# Altium PCB power-v3.3-exp.PcbDoc (part 1 of 2) (continued)
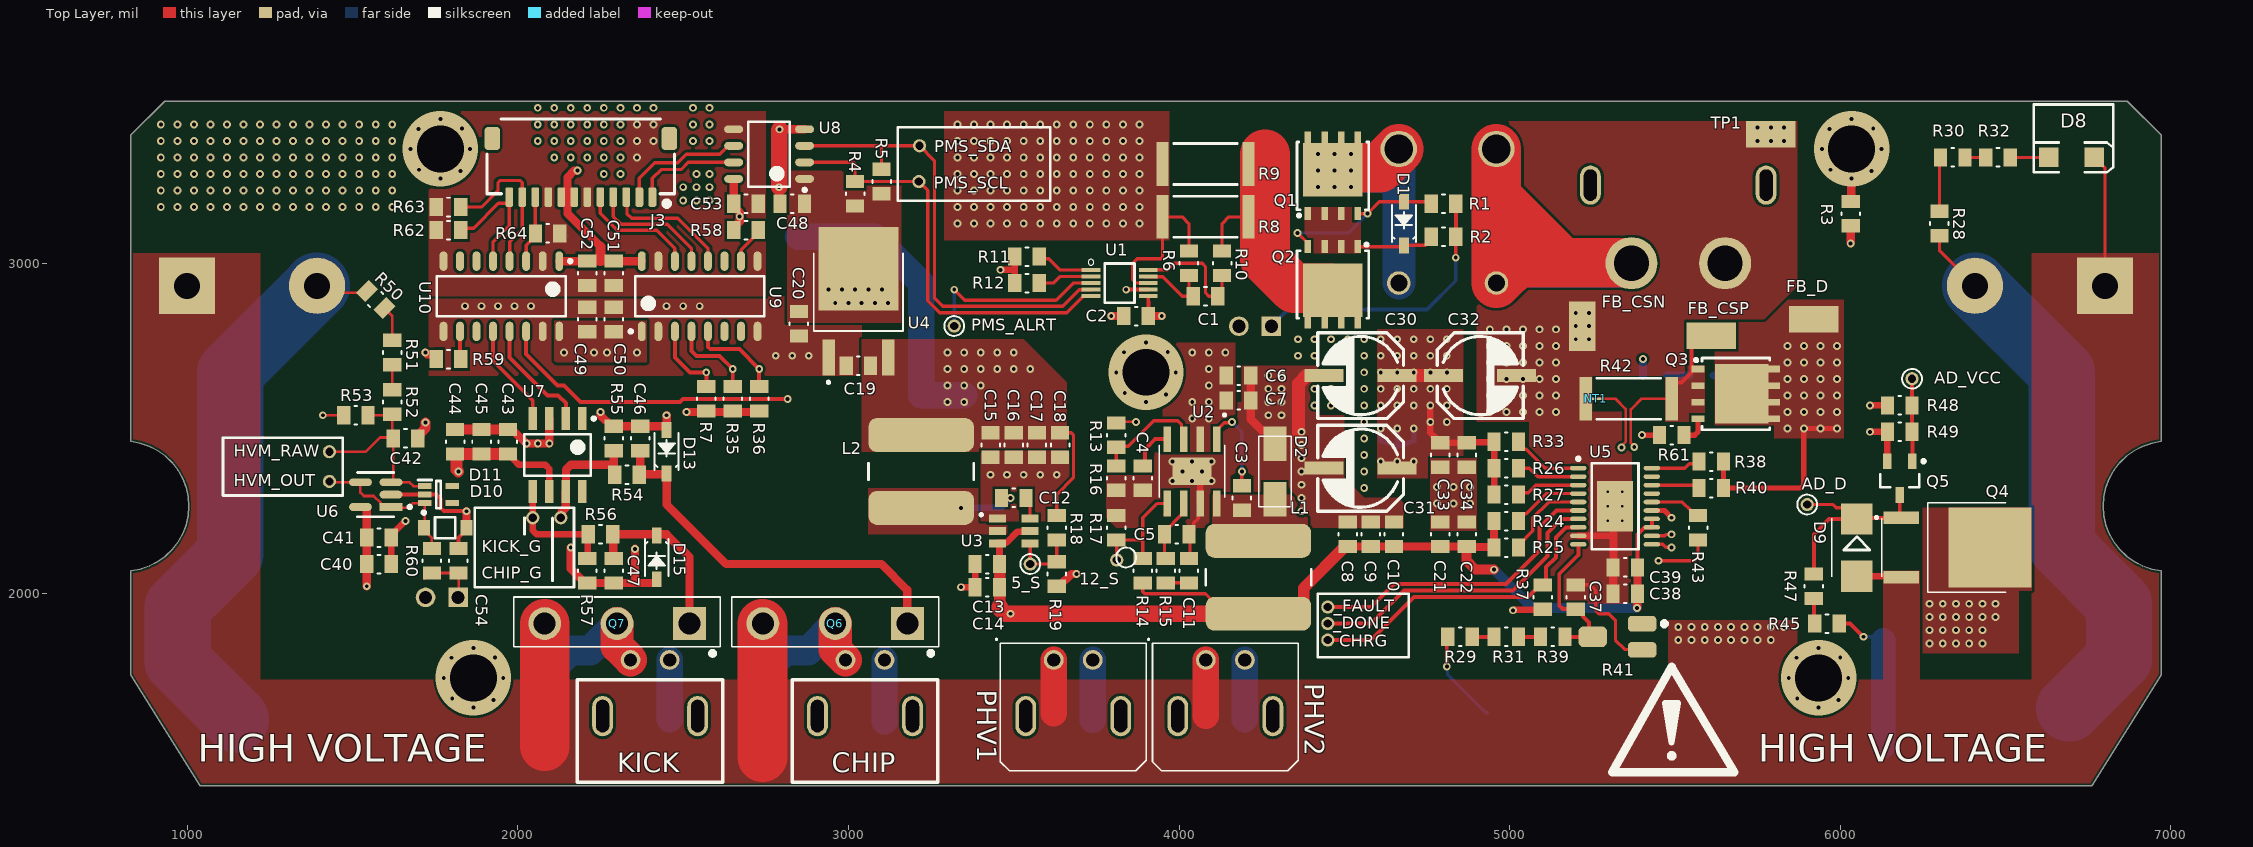
[diagram p0: Top Layer view]
## Components (designator, comment, footprint, x,y, rotation, side; value= is the part's Value field where it differs from the comment) (continued)
PMS_SDA "Test Point (Via)" TP#1 3215,3355 r90 top
Q1 "AON6407" 8-PowerSMD 4465,3264.17 r90 top
Q2 "AON6407" 8-PowerSMD 4465,2935.83 r270 top
Q3 "BSC350N20NSFD" 8-PowerSMD 5684.17,2605 r0 top
Q4 "STD11N60DM2" "DPAK (TO-252)" 6350,2140 r270 top
Q5 "BSS127SSN-7" SOT95P245X89-3M 6180,2350 r270 top
Q6 "FGY75N60SMD" "TO-247-3 - FaceDown" 3178.9,1910 r180 top
Q7 "FGY75N60SMD" "TO-247-3 - FaceDown" 2518.9,1910 r180 top
R1 "100k" 0805 4800,3180 r0 top
R2 "100k" 0805 4800,3080 r0 top
R3 "5.1M" 0805 6031.61,3150.04 r90 top
R4 "10k" 0805 3020,3210 r90 top
R5 "10k" 0805 3100,3247 r90 top
R6 "10.0" 0805 4030,3000 r90 top
R7 "10k" 0805 2570,2590 r90 top
R8 "2mOHM" 2512 4080,3140 r0 top
R9 "2mOHM" 2512 4080,3300 r0 top
R10 "10.0" 0805 4130,3000 r90 top
R11 "10k" 0805 3540,3020 r180 top
R12 "10k" 0805 3540,2940 r180 top
R13 "169k" 0805 3810,2480 r270 top
R14 "10.2k" 0805 3890,2070 r270 top
R15 "10k" 0805 3960,2070 r270 top
R16 "18.7k" 0805 3810,2350 r270 top
R17 "732" 0805 3810,2200 r270 top
R18 "56.2k" 0805 3630,2200 r270 top
R19 "10k" 0805 3630,2060 r90 top
R24 "174k" 0805 4990,2220 r180 top
R25 "255k" 0805 4990,2140 r180 top
R26 "330k" 0805 4990,2380 r180 top
R27 "495k" 0805 4990,2300 r180 top
R28 "100k" 0805 6300,3120 r270 top
R29 "100k" 0805 4850,1870 r180 top
R30 "100k" 0805 6340,3320 r180 top
R31 "100k" 0805 4990,1870 r180 top
R32 "100k" 0805 6477,3320 r180 top
R33 "25.5k" 0805 4990,2460 r0 top
R34 "100k" 0805 5580,2660 r0 bottom
R35 "100k" 0805 2650,2590 r270 top
R36 "100k" 0805 2730,2590 r270 top
R37 "10k" 0805 5100,1990 r90 top
R38 "11.5k" 0805 5610,2400 r180 top
R39 "100k" 0805 5130,1870 r180 top
R40 "25.5k" 0805 5610,2320 r180 top
R41 "ADJ 200" "POT SMD" 5330,1870 r90 top
R42 "7mOHM" 2512 5360.08,2590 r0 top
R43 "1.05k" 0805 5570,2200 r90 top
R45 "5.1M" 0805 5960,1910 r0 top
R46 "1k 50W" "D2PAK (TO-263)" 6230,2111.1 r180 bottom value=1.5k
R47 "5.1M" 0805 5920,2023 r270 top
R48 "270k" 0805 6180,2570 r180 top
R49 "100k" 0805 6180,2490 r0 top
R50 "330k" 0805 1570,2890 r135 top
R51 "330k" 0805 1620,2730 r90 top
R52 "330k" 0805 1620,2580 r90 top
R53 "13k" 0805 1510,2540 r180 top
R54 "110" 0805 2330,2360 r180 top
R55 "10k" 0805 2290,2470 r90 top
R56 "110" 0805 2250,2180 r180 top
R57 "10k" 0805 2210,2070 r270 top
R58 "JUMPER" 0805 2690,3100 r0 top value=0
R59 "JUMPER" 0805 1790,2710 r180 top value=0
R60 "100" 0805 1740,2100 r90 top
R61 "JUMPER" 0805 5490,2480 r180 top value=0
R62 "10k" 0805 1790,3100 r180 top
R63 "10k" 0805 1790,3170 r180 top
R64 "10k" 0805 2090,3090 r0 top
T1 "DA2034" DA2034 5220,2290 r0 bottom
TP1 "Test Point - 5019" TP380X203 5790,3390 r0 top
U1 "INA226AIDGSR" 10-VSSOP 3820,2940 r0 top
U2 "TPS54531DDA" 8-PowerSOIC 4039.06,2370.47 r270 top
U3 "TPS563200DDCR" TSOT-23-6 3500,2190 r0 top
U4 "ZLDO1117K33TC" "DPAK (TO-252)" 3030,2880 r0 top
U5 "LT3751EFE#PBF" LT-FE-20-EPV-CB_L 5318.78,2264.84 r0 top
U6 "MIC7300YM5-TR" FP-SOT23-5LD-PL-1-IPC_A 1570,2300 r180 top
U7 "IR4427STRPBF" 8-SOIC 2120,2420 r270 top
U8 "ISO Dual I2C" SOIC127P600X175-8N 2760,3330 r180 top
U9 "ISO QUAD UNI DIGITAL" SOIC127P600X175-16N 2550,2900 r90 top
U10 "ISO QUAD UNI DIGITAL" SOIC127P600X175-16N 1950,2900 r270 top

## Footprints (in the part's own frame and the unit in brackets; to place one, negate y for a bottom-side part, rotate by r counter-clockwise, add the part's x,y. Pads: shape width x height; smd on the part's side, far side on the other; paste and mask are expansions set on the pad)
3.2X1.6X1.1 [mm]
  rect 1.5x1.5 smd: 1(-1.75,0) 2(1.75,0)
  silkscreen extent -2.9,-1.15 3.2,1.15
8-PowerSMD [mm]
  rect 4.12x4.6 smd: D(0.46,0)
  rect 1x0.5 smd: D(2.9,-1.905) D(2.9,-0.635) D(2.9,0.635) D(2.9,1.905) G(-2.9,-1.905) S(-2.9,-0.635) S(-2.9,0.635) S(-2.9,1.905)
  silkscreen extent -3.13,-2.75 2.6,2.75, body extent -3.07,-2.57 3.08,2.58, height 1.1
8-PowerSOIC [mm]
  rect 1.97x0.6 smd: 1(-2.475,1.905) 2(-2.475,0.635) 3(-2.475,-0.635) 4(-2.475,-1.905) 5(2.475,-1.905) 6(2.475,-0.635) 7(2.475,0.635) 8(2.475,1.905)
  rect 2.13x3 smd: 9(0,0)
  round 0.4 hole 0.3 mask+0.102: V1(-0.75,1.5) V2(0.75,1.5) V3(-0.75,0) V4(0.75,0) V5(-0.75,-1.5) V6(0.75,-1.5)
  silkscreen extent -4.42,-2.52 2,2.6, body extent -3.1,-2.49 3.1,2.49, height 1.68
8-SOIC [mm]
  rect 1.75x0.65 smd: 1(-2.8,1.905) 2(-2.8,0.635) 3(-2.8,-0.635) 4(-2.8,-1.905) 5(2.8,-1.905) 6(2.8,-0.635) 7(2.8,0.635) 8(2.8,1.905)
  silkscreen extent -2.92,-2.55 1.6,2.91, body extent -2,-2.55 2,2.55, height 1.7
10-VSSOP [mm]
  rect 1.45x0.3 smd: 1(-2.2,1) 2(-2.2,0.5) 3(-2.2,0) 4(-2.2,-0.5) 5(-2.2,-1) 6(2.2,-1) 7(2.2,-0.5) 8(2.2,0) 9(2.2,0.5) 10(2.2,1)
  silkscreen extent -2.42,-1.5 1.15,1.82
0805 [mil]
  rect 40x55 smd: 1(-37,0) 2(37,0)
  silkscreen extent -4,-28 4,28, body extent -47,-28 47,28, height 24
1210 [mm]
  rect 1.16x2.72 smd: 1(-1.475,0) 2(1.475,0)
  silkscreen extent -0.57,-1.35 0.57,1.35
2512 [mm] "Chip Resistor, 2-Leads, Body 6.35x3.10mm, IPC Low Density"
  rect 0.95x3.35 smd: 1(-3.3,0) 2(3.3,0)
  silkscreen extent -2.45,-1.58 2.45,1.58, body extent -3.22,-1.63 3.22,1.63, height 0.6
43650-02 [mm] "Molex Microfit 2PIN RightAngle Thru"
  round 1.52 hole 1.02: 1(-1.5,4.32) 2(1.5,4.32)
  oval 1.6x3.1 hole 1 slot 2.49 at 90 deg: NC(-3.65,0) NC(3.65,0)
  silkscreen extent -5.96,-4.2 5.6,5.96, body extent -4.82,-4.55 4.82,5.35, height 2.7
Amass_XT60PW-M [mm] "Right angle XT60 Male Socket"
  round 4 hole 2.7: 1(-3.6,0) 2(3.6,0)
  rrect100% 1.6x3 hole 1 slot 2.4 at 90 deg: Un1(6.75,6) Un2(-6.75,6)
  silkscreen extent -7.76,-1.85 7.76,15.42, body extent -7.95,-1.95 7.95,16.3, height 8.4
"CAP POL ALU 6.3x5.8" [mm]
  rect 3x1 smd: NEG(-2.818,-0.003) POS(2.782,-0.003)
  silkscreen extent -3.32,-3.3 3.28,3.3, body extent -3.5,-3.3 3.5,3.3, height 5.4
"CN 43650-0812" [mm] "Molex Micro-Fit 043650 SMD 8CKT"
  rrect50% 1.27x2.921 smd: 1(10.5,5.6) 2(7.5,5.6) 3(4.5,5.6) 4(1.5,5.6) 5(-1.5,5.6) 6(-4.5,5.6) 7(-7.5,5.6) 8(-10.5,5.6)
  rrect50% 3.429x1.651 smd: NC(-14.385,0) NC(14.385,0)
  silkscreen extent -14,-4.57 14,6.68, body extent -15.82,-4.6 15.82,6.14, height 5.64
"CN 20239612" [mm] "12 Circuit SMD Right Angle PicoClasp"
  rrect50% 0.6x1.5 smd: 1(-5.5,4.5) 2(-4.5,4.5) 3(-3.5,4.5) 4(-2.5,4.5) 5(-1.5,4.5) 6(-0.5,4.5) 7(0.5,4.5) 8(1.5,4.5) 9(2.5,4.5) 10(3.5,4.5) 11(4.5,4.5) 12(5.5,4.5)
  rrect50% 1.2x1.8 smd: NC(-6.8,0) NC(6.8,0)
  silkscreen extent -7.2,-1.5 7.21,5.15, body extent -7,-1.27 7,4.63, height 4.7
"D2PAK (TO-263)" [mm]
  rect 1.06x3.78 smd: 1(-2.54,-6.4) 2(2.54,-6.4)
  rect 6.39x8 smd paste-5 mask+0: 3(0,4.29)
  silkscreen extent -5.34,-7.05 5.32,-3.24, body extent -5.08,-7.62 5.08,7.62, height 4.83
DA2034 [mm]
  rect 3.7x1.27 smd: 1(-14.1,8.059) 2(-14.1,5.059) 3(-14.1,2.059) 4(-14.1,-0.941) 5(-14.1,-3.941) 6(-14.1,-6.941) 7(13.206,-6.941) 8(13.206,-3.941) 9(13.206,-0.941) 10(13.206,2.059) 11(13.206,5.059) 12(13.206,8.059)
  silkscreen extent -10.93,-9.73 10.07,10.85, body extent -14.82,-9.69 13.83,10.88, height 11.18
DO-214AA [mm]
  rect 2.4x2.4 smd: A(2.2,0) C(-2.2,0)
  silkscreen extent -2.26,-1.91 2.26,1.91
DO-214AC [mm]
  rect 2.65x1.75 smd: A(-2.15,0) C(2.15,0)
  silkscreen extent -2.7,-1.25 2.7,1.25
"DPAK (TO-252)" [mil]
  rect 38.58x107.87 smd: 1(-90,-165) 3(90,-165)
  rect 241.67x251.97 smd paste-157.48: 2(0,103)
  silkscreen extent -135,-244 135,150, body extent -128,-185 128,205, height 97
FP-SOT23-5LD-PL-1-IPC_A [mm]
  rect 1.756x0.61 smd paste+0 mask+0: 1(-1.175,0.95)
  rrect100% 1.756x0.61 smd paste+0 mask+0: 2(-1.175,0) 3(-1.175,-0.95) 4(1.175,-0.95) 5(1.175,0.95)
  silkscreen extent -2.73,-1.7 1.4,1.7, body extent -2.55,-1.95 2.55,1.95, height 0.25
FUSE-3549-2 [mm] "Keystone Miniblade FUSE_3549-2"
  round 2.8 hole 2.2: 1(-3.75,0) 4(3.75,0)
  round 1.8 hole 1.3: 2(-3.75,10.3) 3(3.75,10.3)
  silkscreen extent -9.2,-0.25 9.2,10.75, body extent -9.13,-0.02 8.9,10.45, height 5.84
INDP8279X40M [mm] "Precision Wire Wound Inductor, 2-Leads, Body 8.15x7.90mm, IPC Low Density"
  rrect50% 2.6x8.1 smd: 1(-2.8,0) 2(2.8,0)
  silkscreen extent -0.63,-4.05 0.63,4.05, body extent -4.01,-4 4.01,4, height 4
JST_S2B-XH-A(LF)(SN) [mm]
  rect 1.508x1.508 hole 1: 1(-1.25,-0.525)
  round 1.508 hole 1: 2(1.25,-0.525)
  silkscreen extent -3.7,-3.6 3.7,2.88, body extent -3.72,-2.86 3.68,8.64, height 6.1
LT-FE-20-EPV-CB_L [mm] "SOP, 20-Leads, Body 6.6x4.5mm, Pitch 0.65mm, Thermal Pad 3.86x2.74mm, IPC High Density"
  oval 1.25x0.35 smd: 1(-2.825,2.925) 2(-2.825,2.275) 3(-2.825,1.625) 4(-2.825,0.975) 5(-2.825,0.325) 6(-2.825,-0.325) 7(-2.825,-0.975) 8(-2.825,-1.625) 9(-2.825,-2.275) 10(-2.825,-2.925) 11(2.825,-2.925) 12(2.825,-2.275) 13(2.825,-1.625) 14(2.825,-0.975) 15(2.825,-0.325) 16(2.825,0.325) 17(2.825,0.975) 18(2.825,1.625) 19(2.825,2.275) 20(2.825,2.925)
  rect 2.74x3.86 smd: 21(0,0)
  silkscreen extent -2.95,-3.3 1.8,3.77, body extent -2.25,-3.3 2.25,3.3, height 1.2
NT_8mil [mil] "8mil wide nettie"
  rect 21x8 smd paste+0 mask+0: 1(-10,0) 2(10,0)
ONSC-SOD-123-2-425-04_V [mm] "SOD, 2-Leads, Body 2.69x1.6mm"
  rect 0.91x1.22 smd: 1(-1.635,0) 2(1.635,0)
  silkscreen extent -1.76,-0.8 0.78,1.28, body extent -1.35,-0.8 1.35,0.8, height 1.35
"POT SMD" [mm] "SMD Potentiometer NIDEC ST32EB"
  rrect50% 1.2x2.2 smd: 1(1,-1.8) 3(-1,-1.8)
  rrect50% 1.6x2.2 smd: 2(0,2)
  silkscreen extent 0.9,-3.6 1.1,-3.4, body extent -1.7,-2.2 1.7,2.2, height 2
"RADIAL, CAN - THRU 25.4mm" [mil]
  rect 170x170 hole 78.74: NEG(0,0)
  round 170 hole 78.74: POS(393.7,0)
  silkscreen extent -315,-512 709,512, body extent -303,-500 697,500, height 1772
SOD-123 [mil]
  rect 48x30 smd: A(66,0) C(-66,0)
  silkscreen extent -56,-36 56,36
SOIC127P600X175-8N [mm] "SOIC, 8-Leads, Body 4.91x3.95mm, Pitch 1.27mm, IPC Medium Density"
  oval 1.45x0.6 smd: 1(-2.725,1.905) 2(-2.725,0.635) 3(-2.725,-0.635) 4(-2.725,-1.905) 5(2.725,-1.905) 6(2.725,-0.635) 7(2.725,0.635) 8(2.725,1.905)
  silkscreen extent -2.85,-2.5 1.6,2.88, body extent -2,-2.5 2,2.5, height 1.75
SOIC127P600X175-16N [mm] "SOIC, 16-Leads, Body 9.90x3.90mm, Pitch 1.27mm, IPC Medium Density"
  oval 1.5x0.6 smd: 1(-2.7,4.445) 2(-2.7,3.175) 3(-2.7,1.905) 4(-2.7,0.635) 5(-2.7,-0.635) 6(-2.7,-1.905) 7(-2.7,-3.175) 8(-2.7,-4.445) 9(2.7,-4.445) 10(2.7,-3.175) 11(2.7,-1.905) 12(2.7,-0.635) 13(2.7,0.635) 14(2.7,1.905) 15(2.7,3.175) 16(2.7,4.445)
  silkscreen extent -2.82,-4.95 1.55,5.42, body extent -1.95,-4.95 1.95,4.95, height 1.75
SOT65P230X110-5N [mm]
  rect 1.05x0.45 smd: 1(-1.05,0.65) 2(-1.05,0) 3(-1.05,-0.65) 4(1.05,-0.65) 5(1.05,0.65)
  silkscreen extent -1.58,-1.05 0.18,1.12, body extent -1.15,-1.05 1.15,1.05, height 1.1
SOT95P245X89-3M [mm] "SOT23, 3-Leads, Body 2.90x2.45mm, Pitch 0.95mm, IPC Low Density"
  rect 1.2x0.65 smd: D(1.3,0) G(-1.3,0.95) S(-1.3,-0.95)
  silkscreen extent -1.42,-1.5 0.7,1.95, body extent -0.7,-1.5 0.7,1.5, height 0.89
"TO-247-3 - FaceDown" [mm]
  rect 2.52x2.52 hole 1.68: 1(0,0)
  round 2.52 hole 1.68: 2(5.56,0) 3(11.12,0)
  silkscreen extent -2.38,-2.04 13.5,2.44, body extent -2.39,-26.58 13.51,0.4, height 5.5
TP#1 [mil] "Test point (40mil Standard)"
  round 40 hole 25: 1(0,0)
TP#2 [mil] "Test point (40mil Standard)"
  round 40 hole 25 mask+4: 1(0,0)
TP380X203 [mm]
  rect 3.8x2.03 smd: 1(0,0)
TSOT-23-6 [mm] "SOT-23-6 Thin"
  rect 1.3x0.6 smd: 1(-1.255,0.95) 2(-1.255,0) 3(-1.255,-0.95) 4(1.255,-0.95) 5(1.255,0) 6(1.255,0.95)
  silkscreen extent -2.6,1.15 -2.4,1.35, body extent -1.4,-1.45 1.4,1.45, height 0.97

## Part data
+HV FB_CSN FB_CSP FB_D TP1: "PC Test Point, Miniature Phosphor Bronze, Silver Plating Surface Mount Mounting Type", Package="2010 Keystone", Digi-Key_Part_Number=36-5019CT-ND, Digi-Key_Purchase_URL=https://www.digikey.com/product-detail/en/keystone-electronics/5019/36-5019CT-ND/3907344?utm_source=snapeda&utm_medium=aggregator&utm_campaign=symbol, MF="Keystone Electronics", MP=5019
C1 C2 C3 C12: library part "CAP 100nF 50V", "CAP CER 0.1UF 50V X7R 0805", Package=0805, Rating=50V, Tolerance=10%
C4: library part "CAP 8.2nF 50V", "CAP CER 8200PF 50V X7R 0805", Operating Temperature="-55°C ~ 125°C", Package=0805, Rating=50V, Temperature Coefficient=X7R, Tolerance=10%
C5: library part "CAP 10pF 50V", "CAP CER 10PF 50V X7R 0603/0805", Operating Temperature="-55°C ~ 125°C", Package=0603/0805, Rating=50V, Temperature Coefficient=X7R, Tolerance=10%
C6 C7 C8 C9 C10 C13 C14 C15 C16 C17 C18 C19 C20 C21 C23 C24 C25 C26 C27 C33 C38 C44 C45: library part "CAP 10uF 35V", "CAP CER 10UF 35V X7R 0805", Operating Temperature="-55°C ~ 125°C", Package=0805, Rating=35V, Temperature Coefficient=X7R, Tolerance=10%
C11: library part "CAP 2700pF 50V", "CAP CER 2700PF 50V X7R 0805", Operating Temperature="-55°C ~ 125°C", Package=0805, Rating=50V, Temperature Coefficient=X7R, Tolerance=10%
C22 C34 C37 C39: library part "CAP 0.10uF 35V", "CAP CER 0.10UF 35V X7R 0603/0805", Operating Temperature="-55°C ~ 125°C", Package=0603/0805, Rating=35V, Temperature Coefficient=X7R, Tolerance=10%
C28 C29: library part "CAP POL 1000uF", "United Chemi-Con / ESMQ251VSN102MQ45S", Capacitance=1mF, Case/Package=Radial, Dielectric Material=Aluminium, Manufacturer="United Chemi-Con", Manufacturer Part Number=ESMQ251VSN102MQ45S, Max Operating Temperature=85°C, Min Operating Temperature=-40°C, Ripple Current=960mA, Supplier Part Number 1=565-2754-ND, Tolerance=20%, Voltage=250V, Diameter=25.4mm, Height - Seated (Max)=45mm, Lead Diameter=2mm, Lead Free="Lead Free", Lead Pitch=10mm, Life (Hours)=2000Hour, Mount="Through Hole,PCB", Number of Pins=2, REACH SVHC="No SVHC", RoHS=Yes, Supplier 1=Digi-Key, Termination=Radial
C30 C31 C32: library part "CAP POL 100uF SMD", "CAP ALUM 100UF 35V SMD", Operating Temperature="-40°C ~ 85°C", Package=RADIAL, Rating=50V, Temperature Coefficient=Unspecified, Tolerance=20%, ComponentLink1Description="Digikey Link", ComponentLink1URL=https://www.digikey.ca/product-detail/en/panasonic-electronic-components/ECA-1HM100I/P10425CT-ND/8603345, Dimensions="0.197\" Dia (5.00mm)"
C35: library part "CAP 2.2uF 16V", "CAP CER 2.2UF 16V X5R 0603/0805", Operating Temperature="-55°C ~ 85°C", Package=0603/0805, Rating=16V, Temperature Coefficient=X5R, Tolerance=10%
C36: library part "CAP 0.1uF 630V", "CAP CER 0.1uF 630V X7R 1210", Operating Temperature="-55°C ~ 125°C", Package=1210, Rating=630V, Temperature Coefficient=X7R, Tolerance=10%
C40: library part "CAP 1.0uF 16V", "CAP CER 1.0UF 16V X5R 0603/0805", Operating Temperature="-55°C ~ 85°C", Package=0603/0805, Rating=16V, Temperature Coefficient=X5R, Tolerance=10%
C41 C42 C54: library part "CAP 0.010uF 16V", "CAP CER 0.010UF 16V X5R 0603/0805", Operating Temperature="-55°C ~ 85°C", Package=0603/0805, Rating=16V, Temperature Coefficient=X5R, Tolerance=10%
C43 C46 C47 C48 C49 C50 C51 C52 C53: library part "CAP 0.1uF 25V", "CAP CER 0.1UF 25V X7R 0805", Operating Temperature="-55°C ~ 125°C", Rating=25V, Temperature Coefficient=X7R, Tolerance=10%
D1 D9: library part "DIODE ZENER 15V 3W", "Diode ZENER 15V 3W", Supplier Part Number 1=3SMBJ5929BTPMSCT-ND, Supplier 1=Digi-Key
D2: library part "DIODE SCHOTTKY 40V 3A", "Diode Schottky 40V 3A Surface Mount SMA", Current - Average Rectified (Io)=3A, Package=DO-214AC, Voltage - DC Reverse (Vr) (Max)=40V, Voltage - Forward (Vf) (Max) @ If="450mV @ 3A", ComponentLink1Description=digikey, ComponentLink1URL=https://www.digikey.ca/product-detail/en/on-semiconductor/MBR0540T1G/MBR0540T1GOSCT-ND/917967
D7: "Diode Switching 600V 5A DPAK", Digikey=VS-5EWH06FN-M3-ND, Digikey Link=https://www.digikey.ca/en/products/detail/vishay-semiconductor-diodes-division/VS-5EWH06FN-M3/4934509, MF="Vishay Diodes", MF PN=VS-5EWH06FN-M3
D8: library part "LED GREEN SMD", "Typical RED, GREEN, YELLOW, AMBER GaAs LED", Color=Green, Current - Test=20mA, Package=1206, Voltage - Forward (Vf) (Typ)=2V, Lens Transparency=Clear
D10: library part "DIODE ZENER 3.3 500mW", "Zener 3V3 Voltage Regulator, 500 mW, 2-Pin SOD-123, Pb-Free, Tape and Reel", Manufacturer="On Semiconductor", Supplier Part Number 1=MMSZ4684T1GOSCT-ND, ComponentLink1Description="Manufacturer URL", ComponentLink1URL=http://www.onsemi.com/, ComponentLink2Description=Datasheet, ComponentLink2URL=http://www.onsemi.com/pub_link/Collateral/MMSZ4678T1-D.PDF, ComponentLink3Description="Package Specification", ComponentLink3URL=http://www.onsemi.com/pub_link/Collateral/425-04.PDF, DatasheetVersion="Rev. 9", Mounting Technology="Surface Mount", P Max (W)=0.5, PackageDescription="2-Pin SOD, Body 1.6 x 2.69 mm", PackageReference=SOD-123-2-425-04, PackageVersion="Rev. G, 10/2009", Packing="Tape and Reel", PartNumber=MMSZ4684T1G, RoHS=Pb-Free, Supplier 1=Digi-Key, VZ Typ (V)=3.3
D11: "TVS Diode Bidirectional Vbr = 3.5V, Working Voltage = 3.3V", Arrow Part Number=CPDV5-3V3UP, Manufacturer_Name="Comchip Technology", Mouser Part Number=750-CPDV5-3V3UP, Supplier Part Number 1=641-1422-1-ND, Arrow Price/Stock=https://www.arrow.com/en/products/cpdv5-3v3up/comchip-technology, Datasheet Link=http://www.comchiptech.com/admin/files/product/CPDV5-3V3UP-HF%20RevB181493.pdf, Height=1.1mm, Manufacturer_Part_Number=CPDV5-3V3UP, Mouser Price/Stock=https://www.mouser.com/Search/Refine.aspx?Keyword=750-CPDV5-3V3UP, Supplier 1=Digi-Key
D12 D14: library part "DIODE STANDARD 600V 5A", "Diode Standard 600V 5A Surface Mount SMB", Supplier Part Number 1=1655-1530-1-ND, Supplier 1=Digi-Key
D13 D15: library part "DIODE SCHOTTKY 20V 1A", "Diode Schottky 20V 1A Surface Mount SOD-123FL", Current Rating=1A, Package=SOD-123, Voltage Rating=20V, ComponentLink1Description=digikey, ComponentLink1URL=https://www.digikey.ca/product-detail/en/on-semiconductor/MBR0540T1G/MBR0540T1GOSCT-ND/917967, Digikey=SM5817PL-TPMSCT-ND, Digikey Link=https://www.digikey.ca/product-detail/en/micro-commercial-co/SM5817PL-TP/SM5817PL-TPMSCT-ND/1793410, MF="Micro Commercial Co", MP=SM5817PL-TP
F1: library part "FUSE BLADE", "Fuse Block 30A 500V 1 Circuit Blade Through Hole", Package="Nonstandard Keystone", Supplier Part Number 1=36-3557-2-ND, Availability=Unavailable, MF="Keystone Electronics", MP=3557-2, Price=None, SnapEDA_Link=https://www.snapeda.com/parts/3557-2/Keystone%20Electronics/view-part/278060/?ref=snap, Supplier 1=Digi-Key
J1 J4: "Connector Header Through Hole 2 position 0.098 _2.50mm_ / JST XH", Package=None, Availability=Unavailable, MF="JST Sales", MP=B2B-XH-A_LF__SN_, Price=None, SnapEDA_Link=https://www.snapeda.com/parts/B2B-XH-A%28LF%29%28SN%29/JST%20Sales%20America%20Inc./view-part/492310/?ref=snap
J2: "Molex 43650-0812 8POS Microfit / single row, right angle, surface mount"
J3: library part "CN Pico Clasp 12POS", "12 POS Right Angle Pico Clasp Surface Mount"
L1: library part "IND 15UH 3.2A 50 MOHM", "15µH Semi-Shielded Wirewound Inductor 2.4A 70mOhm Max Nonstandard", Current - Saturation=4A, DC Resistance (DCR)=50mOhm, Inductance=15.0uH, Operating Temperature="-40°C ~ 125°C", Supplier Part Number 1=SRN8040TA-150MCT-ND, ComponentLink1Description=digikey, ComponentLink1URL=https://www.digikey.ca/en/products/detail/bourns-inc/SRU1048-8R2Y/2352912, Digikey=SRN8040TA-150MCT-ND, Digikey Link=https://www.digikey.ca/en/products/detail/bourns-inc/SRN8040TA-150M/6155130, Height - Seated (Max)=4.2mm, MF="Bourns Inc.", MP=SRN8040TA-150M, Size / Dimension="0.512\"\" L x 0.512\"\" W (13.00mm x 13.00mm)", Supplier 1=Digi-Key
L2: library part "IND 3.3UH 5.6A 21 MOHM SMD", "3.3µH Semi-Shielded Wirewound Inductor 5.6A 21mOhm Max Nonstandard", Inductance=3.3uH, Package=Nonstandard, ComponentLink1Description=digikey, ComponentLink1URL=https://www.digikey.ca/en/products/detail/bourns-inc/SRU1048-8R2Y/2352912, Digikey=SRN8040-3R3YCT-ND, Digikey Link=https://www.digikey.ca/en/products/detail/bourns-inc/SRN8040-3R3Y/2756131, MF="Bourns Inc.", MP=SRN8040-3R3Y, Price=None
NT1: library part NT_8, "8mil wide nettie"
P1: library part "XT60 Connector", "XT60 CONNECTORS FEMALE PAIR", Supplier Part Number 1=1568-1816-ND, Digikey=1568-1816-ND, Digikey Link=https://www.digikey.ca/product-detail/en/sparkfun-electronics/PRT-10474/1568-1816-ND/8258064, MF="SparkFun Electronics", MP=PRT-10474, Package=XT60, Price="2.13000 CAD", Supplier 1=Digi-Key
P2 P3 PHV1 PHV2: library part "CN MOLEX 4365002XX", "MOLEX MICROFIT 2CKT RIGHT THRU", Package=Microfit, Digikey=WM17581-ND, Digikey Link=https://www.digikey.com/en/products/detail/molex/0436500205/3310532?s=N4IgTCBcDaICwGYBsBWADGsaUgLoF8g, MF=MOLEX, MP=4365002XX, Price="1.44 CAD", Supplier 1=Digi-Key, Supplier Part Number 2=WM17581-ND
Q1 Q2: library part "MOSFET AON6407", "MOSFET P-CH 30V 32A 8DFN", Package=8-PowerSMD, Supplier Part Number 1=785-1421-1-ND, Digikey=785-1421-1-ND, Digikey Link=https://www.digikey.ca/product-detail/en/alpha-omega-semiconductor-inc/AON6407/785-1421-1-ND/3466800, MF="Alpha & Omega Semiconductor Inc.", MP=AON6407, Supplier 1=Digi-Key
Q3: library part "MOSFET BSC320N20NS3", "MOSFET N-CH 36A 200V", Package=8-PowerTDFN, Supplier Part Number 1=BSC320N20NS3GATMA1CT-ND, Digikey=BSC320N20NS3GATMA1CT-ND, Digikey Link=https://www.digikey.ca/en/products/detail/infineon-technologies/BSC320N20NS3GATMA1/2337851, MF=Infineon, Supplier 1=Digi-Key
Q5: "Small Signal N-Ch, 600Vds", MFG="Diodes Incorporated", Supplier=Digikey, Supplier PN=BSS127SSN-7DICT-ND
Q6 Q7: "IGBT Field Stop 600V 150A 750W Through Hole PowerTO-247-3", Package="TO-247 Fairchild Semiconductor", Power=750W, Supplier Part Number 1=FGY75N60SMDFS-ND, Ic max=150A, MF="ON Semiconductor", MP=FGY75N60SMD, Supplier 1=Digi-Key, Topology="Field Stop IGBT", Vce max=600V, Vge max=±20V
R1 R2 R29 R31 R34 R35 R36 R39 R49: library part "RES 100k 1/8W - 1%", "RES SMD 100K OHM 1% 1/8W 0805", Package=0805, Power (Watts)=0.125W, Tolerance=1%
R3 R45 R47: library part "RES 5.1M 1/8W-5%", "RES SMD 5.1 MOHM 5% 1/8W 0805", Package=0805, Power (Watts)=0.125W, Tolerance=5%
R4 R5 R7 R11 R12 R15 R19 R37 R55 R57 R62 R63 R64: library part "RES 10k 1/8W - 1%", "RES SMD 10K OHM 1% 1/8W 0805", Package=0805, Power (Watts)=0.125W, Tolerance=1%
R6 R10: library part "RES 10.0 1/8W - 1%", "RES SMD 10.0 OHM 1% 1/8W 0805", Package=0805, Power (Watts)=0.125W, Tolerance=1%
R8 R9: library part "RES 2m 1W", "RES SMD 2m OHM 1% 1W 1206", Package=1206, Power (Watts)=1W, Tolerance=1%, Resistance=2mOHM
R13: library part "RES 169k 1/8W", "RES SMD 169K OHM 1% 1/8W 0805", Package=0805, Power (Watts)=0.125W, Tolerance=1%, ComponentLink1Description=digikey, ComponentLink1URL=https://www.digikey.ca/en/products/detail/yageo/RC0805FR-07169KL/727634
R14: library part "RES 10.2k 1/8W", "RES SMD 10.2K OHM 1% 1/8W 0805", Package=0805, Power (Watts)=0.125W, Tolerance=1%, ComponentLink1Description=digikey, ComponentLink1URL=https://www.digikey.ca/en/products/detail/panasonic-electronic-components/ERJ-6ENF1022V/111476
R16: library part "RES 18.7K 1/8W", "RES SMD 18.7K OHM 1% 1/8W 0805", Alternative Package=1206, Package=0805, Power (Watts)=0.125W, Tolerance=1%
R17: library part "RES 732.0 1/8W", "RES SMD 732 OHM 1% 1/8W 0805", Package=0805, Power (Watts)=0.125W, Tolerance=1%
R18: library part "RES 56.2k 1/10W", "RES SMD 56.2K OHM 1% 1/10W 0603", Package=0603, Power (Watts)=0.1W, Tolerance=1%
R24: library part "RES 174k 1/8W", "RES SMD 174K OHM 1% 1/8W 0805", Case Code (Imperial)=0805, Case Code (Metric)=2012, Manufacturer=Yageo, Manufacturer Part Number=RC0805FR-07174KL, Max Operating Temperature=155°C, Max Power Dissipation=125mW, Min Operating Temperature=-55°C, Package Quantity=1, Resistance=174kR, Supplier Part Number 1=311-174KCRCT-ND, Temperature Coefficient=100ppm/°C, Tolerance=1%, Voltage Rating=150V, Case/Package=0805, Category="Chip SMD Resistors", ComponentLink1Description=https://datasheet.ciiva.com/2509/pyu-r-int-thick-7-2509472.pdf?src-supplier=Digi-Key, ComponentLink1URL=https://datasheet.ciiva.com/2509/pyu-r-int-thick-7-2509472.pdf?src-supplier=Digi-Key, ComponentLink2Description=https://datasheet.ciiva.com/2509/pyu-r-int-thick-7-2509471.pdf?src-supplier=Digi-Key, ComponentLink2URL=https://datasheet.ciiva.com/2509/pyu-r-int-thick-7-2509471.pdf?src-supplier=Digi-Key, ComponentLink3Description=https://datasheet.ciiva.com/2509/pyu-r-int-thick-7-2509473.pdf?src-supplier=Digi-Key, ComponentLink3URL=https://datasheet.ciiva.com/2509/pyu-r-int-thick-7-2509473.pdf?src-supplier=Digi-Key, Composition="Thick Film", Contact Plating=Tin,Matte, Depth=1.25mm, Features="Moisture Resistant", Height=0.024inch, Lead Free="Lead Free", Length=2mm, Military Standard=Not, Number of Terminations=2, Packaging="Tape and Reel", Power Rating=125mW, Pricing 1="1=0.10000, 10=0.04000, 100=0.01630, 1000=0.00731, 2500=0.00635 (USD)", Radiation Hardening=No, RoHS=Yes, Stock 1=27863, Supplier 1=Digi-Key, Termination=SMD/SMT, Voltage Rating (DC)=150V, Width=0.049inch
R25: library part "RES 255k 0805", "0805 Resistor, 6A, 0.125W, 25ppm, 0.1%, 255K", Case Code (Imperial)=0805, Case Code (Metric)=2012, Manufacturer=Panasonic, Manufacturer Part Number=ERA-6AEB2553V, Max Operating Temperature=155°C, Max Power Dissipation=125mW, Min Operating Temperature=-55°C, Package Quantity=1, Resistance=255kR, Supplier Part Number 1=P255KDACT-ND, Temperature Coefficient=25ppm/°C, Tolerance=0.1%, Voltage Rating=200V, Voltage Rating (DC)=100V, Case/Package=0805, Category="Chip SMD Resistors", ComponentLink1Description=https://datasheet.ciiva.com/11810/0900766b80eb1d8c-11810615.pdf?src-supplier=RSComponents, ComponentLink1URL=https://datasheet.ciiva.com/11810/0900766b80eb1d8c-11810615.pdf?src-supplier=RSComponents, ComponentLink2Description=https://datasheet.ciiva.com/41450/001181380-da-01-en-widerstand-era-0805-255k-0-1-5000st-41450539.pdf?src-supplier=Conrad, ComponentLink2URL=https://datasheet.ciiva.com/41450/001181380-da-01-en-widerstand-era-0805-255k-0-1-5000st-41450539.pdf?src-supplier=Conrad, ComponentLink3Description=https://datasheet.ciiva.com/5981/485442-5981317.pdf?src-supplier=Farnell, ComponentLink3URL=https://datasheet.ciiva.com/5981/485442-5981317.pdf?src-supplier=Farnell, ComponentLink4Description=https://datasheet.ciiva.com/5981/485442-5981318.pdf?src-supplier=Farnell, ComponentLink4URL=https://datasheet.ciiva.com/5981/485442-5981318.pdf?src-supplier=Farnell, ComponentLink5Description=https://datasheet.ciiva.com/5981/485442-5981319.pdf?src-supplier=Farnell, ComponentLink5URL=https://datasheet.ciiva.com/5981/485442-5981319.pdf?src-supplier=Farnell, ComponentLink6Description=https://datasheet.ciiva.com/5981/485442-5981320.pdf?src-supplier=Farnell, ComponentLink6URL=https://datasheet.ciiva.com/5981/485442-5981320.pdf?src-supplier=Farnell, ComponentLink7Description=https://datasheet.ciiva.com/17206/aoa0000ce26-17206655.pdf?src-supplier=Avnet+Europe, ComponentLink7URL=https://datasheet.ciiva.com/17206/aoa0000ce26-17206655.pdf?src-supplier=Avnet+Europe, Composition="Metal Film,Thin Film", Contact Plating=Tin, Depth=1.25mm, Features="Automotive AEC-Q200", Height=0.5mm, Lead Free="Lead Free", Length=2mm, Military Standard=Not, Mount="Surface Mount", Number of Pins=2, Number of Terminations=2, Packaging="Tape and Reel", Power Rating=125mW, Pricing 1="1=0.36000, 10=0.30200, 100=0.11820, 1000=0.04948, 2500=0.04536 (USD)", Radiation Hardening=No, REACH SVHC="No SVHC", RoHS=Yes, Stock 1=7869, Supplier 1=Digi-Key, Termination=SMD/SMT, Weight=0.000194oz, Width=1.25mm
R26: library part "RES 330k 1/8W - 1%", "RES SMD 274K OHM 1% 1/8W 0805"
R27: library part "RES 495k 1/8W", "RES SMD 499K OHM 1% 1/8W 0805", Case Code (Imperial)=0805, Case Code (Metric)=2012, Manufacturer=Yageo, Manufacturer Part Number=RC0805FR-07499KL, Max Operating Temperature=155°C, Min Operating Temperature=-55°C, Power Rating=125mW, Resistance=499kR, Supplier Part Number 1=311-499KCRCT-ND, Temperature Coefficient=100ppm/°C, Tolerance=1%, Voltage Rating=150V, Case/Package=0805, Category="Chip SMD Resistors", ComponentLink1Description=https://datasheet.ciiva.com/15189/getdatasheetpartid-326570-15189975.pdf?src-supplier=Verical, ComponentLink1URL=https://datasheet.ciiva.com/15189/getdatasheetpartid-326570-15189975.pdf?src-supplier=Verical, Composition="Thick Film", Contact Plating=Tin,Lead,Matte, Depth=1.25mm, Lead Free="Lead Free", Length=2mm, Military Standard=Not, Packaging="Tape and Reel", Pricing 1="1=0.10000, 10=0.04000, 100=0.01630, 1000=0.00731, 2500=0.00635 (USD)", Radiation Hardening=No, RoHS=Yes, Stock 1=2275, Supplier 1=Digi-Key, Termination=SMD/SMT, Voltage Rating (DC)=150V
R28 R30 R32: library part "RES 100k 1/8W - 5%", "RES SMD 100K OHM 5% 1/8W 0805", Package=0805, Power (Watts)=0.125W, Tolerance=5%
R33 R40: library part "RES 25.5k 1/8W", "RES SMD 25.5K OHM 0.1% 1/8W 0805", Case Code (Imperial)=0805, Case Code (Metric)=2012, Manufacturer=Panasonic, Manufacturer Part Number=ERA-6AEB2552V, Max Operating Temperature=155°C, Max Power Dissipation=125mW, Min Operating Temperature=-55°C, Package Quantity=1, Resistance=25.5kR, Supplier Part Number 1=P25.5KDACT-ND, Temperature Coefficient=25ppm/°C, Tolerance=0.1%, Voltage Rating=100V, Case/Package=0805, Category="Chip SMD Resistors", ComponentLink1Description=https://datasheet.ciiva.com/11810/0900766b80eb1d8c-11810651.pdf?src-supplier=RSComponents, ComponentLink1URL=https://datasheet.ciiva.com/11810/0900766b80eb1d8c-11810651.pdf?src-supplier=RSComponents, ComponentLink2Description=https://datasheet.ciiva.com/26335/459526-da-01-en-widerstand-0805-era-26335831.pdf?src-supplier=Conrad, ComponentLink2URL=https://datasheet.ciiva.com/26335/459526-da-01-en-widerstand-0805-era-26335831.pdf?src-supplier=Conrad, ComponentLink3Description=https://datasheet.ciiva.com/7870/485442-7870651.pdf?src-supplier=Element14, ComponentLink3URL=https://datasheet.ciiva.com/7870/485442-7870651.pdf?src-supplier=Element14, ComponentLink4Description=https://datasheet.ciiva.com/5987/485442-5987308.pdf?src-supplier=Farnell, ComponentLink4URL=https://datasheet.ciiva.com/5987/485442-5987308.pdf?src-supplier=Farnell, ComponentLink5Description=https://datasheet.ciiva.com/7870/485442-7870652.pdf?src-supplier=Element14, ComponentLink5URL=https://datasheet.ciiva.com/7870/485442-7870652.pdf?src-supplier=Element14, ComponentLink6Description=https://datasheet.ciiva.com/30151/54aoa0000ce26-30151583.pdf?src-supplier=Onlinecomponents.com, ComponentLink6URL=https://datasheet.ciiva.com/30151/54aoa0000ce26-30151583.pdf?src-supplier=Onlinecomponents.com, ComponentLink7Description=https://datasheet.ciiva.com/9191/aoa0000ce26-9191422.pdf?src-supplier=Avnet, ComponentLink7URL=https://datasheet.ciiva.com/9191/aoa0000ce26-9191422.pdf?src-supplier=Avnet, Composition="Metal Film,Thin Film", Contact Plating=Tin, Depth=1.25mm, Features="Automotive AEC-Q200", Height=0.5mm, Lead Free="Lead Free", Length=2mm, Military Standard=Not, Mount="Surface Mount", Number of Pins=2, Number of Terminations=2, Packaging="Tape and Reel", Power Rating=125mW, Pricing 1="1=0.36000, 10=0.30200, 100=0.11820, 1000=0.04948, 2500=0.04536 (USD)", Radiation Hardening=No, RoHS=Yes, Stock 1=5872, Supplier 1=Digi-Key, Termination=Solder, Voltage Rating (DC)=100V, Width=1.25mm
R38: library part "RES 11.5k 1/8W", "RES SMD 11.5K OHM 0.1% 1/8W 0805 Thin Film", Case Code (Imperial)=0805, Case Code (Metric)=2012, Manufacturer=Panasonic, Manufacturer Part Number=ERA-6AEB1152V, Max Operating Temperature=155°C, Max Power Dissipation=125mW, Min Operating Temperature=-55°C, Package Quantity=1, Resistance=11.5kR, Supplier Part Number 1=P11.5KDACT-ND, Temperature Coefficient=25ppm/°C, Tolerance=0.1%, Voltage Rating=100V, Case/Package=0805, Category="Chip SMD Resistors", ComponentLink1Description=https://datasheet.ciiva.com/11810/0900766b80eb1d8c-11810868.pdf?src-supplier=RSComponents, ComponentLink1URL=https://datasheet.ciiva.com/11810/0900766b80eb1d8c-11810868.pdf?src-supplier=RSComponents, ComponentLink2Description=https://datasheet.ciiva.com/41450/001181306-da-01-en-widerstand-era-0805-11k5-0-1-5000st-41450464.pdf?src-supplier=Conrad, ComponentLink2URL=https://datasheet.ciiva.com/41450/001181306-da-01-en-widerstand-era-0805-11k5-0-1-5000st-41450464.pdf?src-supplier=Conrad, ComponentLink3Description=https://datasheet.ciiva.com/5987/485442-5987301.pdf?src-supplier=Farnell, ComponentLink3URL=https://datasheet.ciiva.com/5987/485442-5987301.pdf?src-supplier=Farnell, ComponentLink4Description=https://datasheet.ciiva.com/7829/485442-7829142.pdf?src-supplier=Element14, ComponentLink4URL=https://datasheet.ciiva.com/7829/485442-7829142.pdf?src-supplier=Element14, ComponentLink5Description=https://datasheet.ciiva.com/17211/aoa0000ce26-17211855.pdf?src-supplier=Avnet+Europe, ComponentLink5URL=https://datasheet.ciiva.com/17211/aoa0000ce26-17211855.pdf?src-supplier=Avnet+Europe, ComponentLink6Description=https://datasheet.ciiva.com/7829/485442-7829143.pdf?src-supplier=Element14, ComponentLink6URL=https://datasheet.ciiva.com/7829/485442-7829143.pdf?src-supplier=Element14, ComponentLink7Description=https://datasheet.ciiva.com/9193/aoa0000ce26-9193735.pdf?src-supplier=Avnet, ComponentLink7URL=https://datasheet.ciiva.com/9193/aoa0000ce26-9193735.pdf?src-supplier=Avnet, ComponentLink8Description=https://datasheet.ciiva.com/24024/aoa0000ce26-197354-24024328.pdf?src-supplier=Mouser, ComponentLink8URL=https://datasheet.ciiva.com/24024/aoa0000ce26-197354-24024328.pdf?src-supplier=Mouser, Composition="Thin Film,Metal Film", Contact Plating=Tin, Depth=1.25mm, Features="Automotive AEC-Q200", Height=0.5mm, Lead Free="Lead Free", Length=2mm, Military Standard=Not, Mount="Surface Mount", Number of Pins=2, Number of Terminations=2, Packaging="Tape and Reel", Power Rating=125mW, Pricing 1="1=0.34000, 10=0.28800, 100=0.11260, 1000=0.04712, 2500=0.04320 (USD)", Radiation Hardening=No, RoHS=Yes, Stock 1=10661, Supplier 1=Digi-Key, Termination=Solder, Voltage Rating (DC)=100V, Width=1.25mm
R41: library part "RES POT 200", "SMD Potentiometer 200Ohm Range"
R42: library part "RES 7m 3W", "RES SMD 7m OHM 1% 3W 2512", Package=1206, Power (Watts)=3W, Supplier Part Number 1=541-10361-1-ND, Tolerance=1%, ComponentLink1Description="Digikey Link", ComponentLink1URL=https://www.digikey.com/en/products/detail/vishay-dale/WFMB2512R0500FEA/9972278, Digikey=541-10282-1-ND, MFG=VISHAY, Resistance=7mOHM, Supplier 1=Digi-Key
R43: library part "RES 1.05k 1/8W", "RES SMD 1.05K OHM 0.1% 1/8W 0805", Package=0805, Supplier Part Number 1=P1.05KDACT-ND, Tolerance=0.1%, Supplier 1=Digi-Key, Wattage=0.125W
R46: library part "RES 1.5k 50W", "RES SMD 1.5K OHM 1% 50W D2PAK", Package="D2PAK (TO-263)", Power (Watts)=50W, Tolerance=1%
R48: library part "RES 270k 1/8W", "RES SMD 270K OHM 5% 1/8W 0805", Package=0805, Power (Watts)=0.125W, Tolerance=5%
R50 R51 R52: library part "RES 330k 1/8W - 5%", "RES SMD 330K OHM 5% 1/8W 0805", Package=0805, Power (Watts)=0.125W, Tolerance=5%
R53: library part "RES 13k 1/8W", "RES SMD 13K OHM 5% 1/8W 0805", Package=0805, Power (Watts)=0.125W, Tolerance=5%
R54 R56: library part "RES 110.0 1/8W - 1%", "RES SMD 110 OHM 1% 1/8W 0805", Package=0805, Power (Watts)=0.125W, Tolerance=1%
R58 R59 R61: library part "RES 0 JUMPER", "RES SMD 0 OHM JUMPER GENERIC 0805", Package=0805
R60: library part "RES 100.0 1/8W", "RES SMD 100 OHM 5% 1/8W 0805", Package=0805, Power (Watts)=0.125W, Tolerance=5%
T1: "Audio Transformers / Signal Transformers DA2032 Cap Chrgr For Linear LT3750/51", Supplier Part Number 1=994-DA2034-ALB, Supplier 1=Mouser
U1: library part "IC INA226AIDGSR", "36-V, Bi-Directional, Ultra-High Accuracy, Low-/High-Side, I2C Out Current/Power Monitor w/ Alert 10-VSSOP -40 to 125", Package="MSOP-10 Texas Instruments", Supplier Part Number 1=296-29034-6-ND, Digikey=296-29034-1-ND, Digikey Link=https://www.digikey.ca/product-detail/en/texas-instruments/INA226AIDGSR/296-29034-1-ND/2687118, MF="Texas Instruments", MP=INA226AIDGSR, Price=None, SnapEDA_Link=https://www.snapeda.com/parts/INA226AIDGSR/Texas%20Instruments/view-part/53552/?ref=snap, Supplier 1=Digi-Key
U2: "Buck Switching Regulator IC Positive Adjustable 0.8V 1 Output 5A 8-PowerSOIC _0.154, 3.90mm Width_", Package="SO-8 Texas Instruments", Supplier Part Number 1=296-36206-5-ND, MF="Texas Instruments", MP=TPS54531DDA, Price=None, SnapEDA_Link=https://www.snapeda.com/parts/TPS54531DDA/Texas%20Instruments/view-part/289535/?ref=snap, Supplier 1=Digi-Key
U3: "Buck Switching Regulator IC Positive Adjustable 0.76V 1 Output 3A SOT-23-6 Thin, TSOT-23-6", Package="TSOT-23 Texas Instruments", Supplier Part Number 1=296-43663-1-ND, Availability=Unavailable, MF="Texas Instruments", MP=TPS563200DDCR, Price=None, SnapEDA_Link=https://www.snapeda.com/parts/TPS563200DDCR/Texas%20Instruments/view-part/71685/?ref=snap, Supplier 1=Digi-Key
U4: "Linear Voltage Regulator IC Positive Fixed 1 Output  1A TO-252-3", Package=TO-252-3, Supplier Part Number 1=ZLDO1117K33DICT-ND, Digikey=ZLDO1117K33DIDKR-ND, Digikey Link=https://www.digikey.ca/product-detail/en/diodes-incorporated/ZLDO1117K33TC/ZLDO1117K33DIDKR-ND/2095639, MF="Diodes Incorporated", MP=ZLDO1117K33TC, Supplier 1=Digi-Key
U5: "Controller to 20-Pin TSSOP EP", Case/Package=TSSOP, Manufacturer="Analog Devices / Linear Technology", Max Input Voltage=24V, Max Operating Temperature=125°C, Min Operating Temperature=-40°C, Min Supply Voltage=4.75V, Operating Supply Current=5.5mA, Output Current=150mA, Output Voltage=500V, Package Quantity=74, Category="Voltage Regulators - Switching", ComponentLink1Description=https://datasheet.ciiva.com/15104/getdatasheetpartid-472813-15104438.pdf?src-supplier=Verical, ComponentLink1URL=https://datasheet.ciiva.com/15104/getdatasheetpartid-472813-15104438.pdf?src-supplier=Verical, ComponentLink2Description=https://datasheet.ciiva.com/31429/1692507-31429494.pdf?src-supplier=Farnell, ComponentLink2URL=https://datasheet.ciiva.com/31429/1692507-31429494.pdf?src-supplier=Farnell, ComponentLink3Description=https://datasheet.ciiva.com/1964/27024-1964843.pdf?src-supplier=Digi-Key, ComponentLink3URL=https://datasheet.ciiva.com/1964/27024-1964843.pdf?src-supplier=Digi-Key, Manufacturer Part Number=LT3751EFE#PBF, Max Supply Voltage=24V, Number of Outputs=1, Number of Pins=20, Packaging=Rail/Tube, Pricing 1="1=9.26000, 25=6.14640, 100=5.08200, 250=4.82792, 500=4.71900 (USD)", Radiation Hardening=No, REACH SVHC="No SVHC", RoHS=Yes, Stock 1=1231, Supplier 1=Digi-Key, Termination=SMD/SMT
U6: library part "OP AMP MIC7300YM5-TR", "IC OPAMP GP 1 CIRCUIT SOT23-5", Input Bias Current=0.0000005uA, Input Offset Voltage=1mV, Manufacturer=Microchip, Max Junction Temp=+85°C, Max Supply Voltage=10V, Min Supply Voltage=2.2V, Nominal Supply Current=0.7-1.5mA, Package=SOT23-5LD-PL-1, Supplier Part Number 1=576-1319-1-ND, Temperature="-40°C to +85°C", Temperature Range Low=-40°C, Voltage Gain=300-340V/mV, Automotive=No, Category=IC, ComponentLink2Description=Datasheet, ComponentLink2URL=http://www.microchip.com/mymicrochip/filehandler.aspx?ddocname=en580613, Device Class L1="Integrated Circuits (ICs)", Device Class L2="Linear ICs", Device Class L3="Amplifiers - Op Amps", Digikey Description="IC OPAMP GP 1 CIRCUIT SOT23-5", Footprint Url=https://ww1.microchip.com/downloads/en/PackagingSpec/00000049CH.pdf, Gain Bandwidth=0.55MHz, Height=1.45mm, Lead Free=Yes, Manufacturer Part Number=MIC7300YM5-TR, Mouser Description="Operational Amplifiers - Op Amps", Number Of Channels=1, Octopart=https://octopart.com/mic7300ym5-tr-microchip-66803593, RoHS=TRUE, Standoff Height=0mm, Supplier 1=Digi-Key, Temperature Range High=+85°C
U7: "Low-Side Gate Driver IC Non-Inverting 8-SOIC", Package="SOIC-8 Infineon", Supplier Part Number 1=IR4427SPBFCT-ND, Availability=Unavailable, MF="Infineon Technologies", MP=IR4427STRPBF, Price=None, SnapEDA_Link=https://www.snapeda.com/parts/IR4427STRPBF/Infineon%20Technologies/view-part/1815787/?ref=snap, Supplier 1=Digi-Key
U8: "Digital Isolation Dual Ch Bidirectional I2C", Revision=1
U9 U10: "Digital Isolation Quad Channel.", Revision=1
Q4: MFG=STMicroelectronics, Supplier=Digikey, Supplier PN=497-16925-1-ND

## Free pads (board coordinates)
  round 78.74 hole 78.74: 1(5934.27,1745.85) 1(6034.27,3345.85)
  round 220.47 hole 141.73: ""(1765.73,3345.85) ""(1865.73,1745.85) ""(3900,2670) ""(5934.27,1745.85) ""(6034.27,3345.85)

## Via types
v1: diameter 23.62, hole 11.81, Top Layer to Bottom Layer, tented both sides, 561 vias
v2: diameter 23.62, hole 11.81, Top Layer to Bottom Layer, tented bottom, 8 vias
v3: diameter 19.68, hole 7.87, Top Layer to Bottom Layer, 6 vias
v4: diameter 228.35, hole 141.73, Top Layer to Bottom Layer, 5 vias
v5: diameter 23.62, hole 11.81, Top Layer to Bottom Layer, 1 vias

## Nets (pads, with @x,y where several pads share a name; then routed paths per layer and width w, separated by ;. In a path a pad name is that pad's centre, name@x,y a point inside that pad or via, vN(x,y) a via of type N, cw(c..) or ccw(c..) an arc to the next point about the centre after c; other vN are vias at no path point)
3V3: C2.2 C20.1 C40.2 C41.1 C48.1 C49.1 C50.1 R4.1 R5.1 R7.1 R35.2 R36.2 R59.2 U1.6 U4.2 U6.5 U8.1 U9.1 U10.16 | length 4310.6
  Top Layer w10: U1.6@3896.61,2900.63 3906.09,2900.63 3907,2899.72 3907,2883
  Top Layer w12: C2.2@3907,2840 3907,2883
  Top Layer w15: U4.2@2940,2880 v1(3040,2880) ; v1(3020,2920) 3030,2930 U4.2@3030,2983 U4.2@3040,2973 ; v1(3060,2920) U4.2@3060,2953 ; v1(3040,2880) v1(3080,2880) U4.2@3080,2898.5 ; v1(3040,2880) U4.2@3040,2973 ; U4.2@3040,2973 U4.2@3060,2953 ; U4.2@3060,2953 U4.2@3080,2933 ; U4.2@3080,2898.5 3097.25,2915.75 v1(3101.5,2920) 3093,2920 U4.2@3080,2933 ; U4.2@3080,2898.5 U4.2@3080,2933
  Top Layer w25: U6.5@1523.73,2262.6 1542.5,2262.6 1543,2262.1 C41.1@1543,2170 C40.2@1543,2090 v1(1543,2023) ; v1(1720,2730) 1725,2725 1745.5,2725 1753,2717.5 R59.2@1753,2710 ; v1(2510,2550) 2727,2550 R36.2@2730,2553 ; C2.2@3907,2840 v1(3947.52,2839.98)
  Layer 2 w25: v1(1543,2023) 1580,2060 1580,2715.36 1594.64,2730 v1(1720,2730) 2510,2730 ; v1(2510,2550) 2510,2730 ; 2940,2880 2660,2880 2510,2730 ; v1(3120,2880) 3907.5,2880 v1(3947.52,2839.98)
  other v1: 2140,2730 2230,2730 2270,2730 2360,2730 2960,2880 3000,2880 2940,2920 2980,2920
5V: C15.1 C16.1 C17.1 C18.1 C19.1 J2.1 J2.2 L2.2 R18.1 U4.3 | length 1207.6
  Top Layer w10: R18.1@3630,2237 3630,2300 3680.5,2350.5 3680.5,2480.64 3674.14,2487 C18.1@3640,2487
  Bottom Layer w80: J2.2@2848.11,3080 J2.1@2966.22,3080 3080,3080 3220,2940 3220,2600 3350,2600
  other v1: 3300,2580 3350,2580 3300,2630 3350,2630 3400,2630 3300,2680 3350,2680 3400,2680 3450,2680 3500,2680 3550,2680 3300,2730 3350,2730 3400,2730 3450,2730 3500,2730
5V_VFB: 5_S.1 R18.2 R19.2 U3.4 | length 211.7
  Top Layer w10: U3.4@3549.41,2152.6 3550,2152.01 5_S.1@3550,2090 3623,2090 R19.2@3630,2097 R18.2@3630,2163
12V: C8.1 C9.1 C10.1 C13.1 C14.1 C21.2 C22.2 C38.1 C39.1 C43.2 C44.1 C45.1 L1.2 R14.2 R24.2 R25.2 U3.3 U3.5 U5.13 U5.14 U7.6 | length 5595.7
  Top Layer w10: R14.2@3890,2033 3890,2005.86 3895.86,2000 4080,2000 4140.24,1939.76 L1.2@4170.59,1939.76 ; R14.2@3890.41,2039.16 3893.29,2036.29 R14.2@3911.57,2018
  Top Layer w12: C39.1@5387,2080 5387,2179.53 5407.99,2200.53 5429.66,2200.53 U5.13@5430,2200.87 U5.14@5430,2226.46
  Top Layer w20: C43.2@1970,2423 1977.5,2423 1987.5,2413 1987.5,2405.5 2003,2390 2083.28,2390 2095,2378.28 U7.6@2095,2309.76 ; C13.1@3457,2090 3457,2150.79 3455.19,2152.6 U3.3@3450.59,2152.6 3452.4,2154.41 3477.86,2154.41 3511.64,2188.19 3547.6,2188.19 U3.5@3549.41,2190
  Top Layer w25: C8.1@4510,2143 C9.1@4580,2143 C10.1@4650,2143 C21.2@4790,2143 C22.2@4870,2143 4871.5,2141.5 4951.5,2141.5 R25.2@4953,2140 R24.2@4953,2220 ; v1(5385.63,1957.53) 5385.63,1998.63 C38.1@5387,2000 C39.1@5387,2080
  Top Layer w30: C22.2@4870,2143 4870,2100 4897,2073 v1(4953,2073)
  Top Layer w35: C44.1@1810,2423 C44.1@1811.87,2423 ; v1(1820,2370) 1814.37,2375.63 1814.37,2420.5 C44.1@1811.87,2423 ; C43.2@1970,2423 C45.1@1890,2423 C44.1@1811.87,2423 ; 3457,1960.27 C14.1@3457,2020 C13.1@3457,2090 ; L1.2@4170.59,1939.76 L1.2@4328.88,1939.76 ; L1.2@4376.95,1941.69 4376.95,2017.45 4500,2140.5 4507.5,2140.5 C8.1@4510,2143
  Top Layer w50: 3457,1960.27 3457,1957.5 3474.74,1939.76 v1(3490.24,1939.76) 4120.59,1939.76 L1.2@4170.59,1939.76
  Layer 2 w40: v1(1820,2370) 1860,2370 1960,2270 1960,2180 2060,2080 3190,2080 3330.24,1939.76 v1(3490.24,1939.76)
  Bottom Layer w30: v1(4953,2073) 5068.47,1957.53 v1(5385.63,1957.53)
12V_EN: R13.2 R16.1 U2.3 | length 389.8
  Top Layer w10: R16.1@3810,2387 R13.2@3810,2430.5 ; R13.2@3810,2443 3800,2453 3787.5,2453 R13.2@3810,2430.5 ; U2.3@4014.06,2467.91 4007.24,2474.72 4007.24,2512.76 3996.53,2523.47 3923.47,2523.47 3846.64,2446.64 3826.14,2446.64 R13.2@3810,2430.5
12V_VSENSE: 12_S.1 R14.1 R17.2 U2.5 | length 395.1
  Top Layer w10: 12_S.1@3811.44,2102.24 3811.44,2161.56 R17.2@3810,2163 3884.5,2163 3890,2168.5 ; R14.1@3890,2107 3890,2168.5 ; U2.5@3957.24,2239.25 3964.06,2246.06 U2.5@3964.06,2273.03 3933.03,2273.03 3890,2230 3890,2168.5
+HV: +HV.1 C28.POS C29.POS C36.1 D7.2 D12.C D14.C P2.1 P3.1 PHV1.2 PHV2.2 R28.2 R29.2 R45.2 R46.2 R50.2 | length 8699.4
  Top Layer w8: C29.POS@1392.7,2931.67 1413.51,2910.86 1538.53,2910.86 R50.2@1543.84,2916.16
  Top Layer w10: v1(4810,1780) 4810,1867 R29.2@4813,1870 ; R28.2@6300,3083 6300,3038.96 6398.33,2940.63 6398.33,2931.67 C28.POS@6407.29,2931.67
  Top Layer w12: R45.2@5997,1910 6030,1910 v1(6070,1870)
  Layer 2 w80: 2459.06,1600.94 P3.1@2459.06,1800.08 ; 3109.06,1590.94 P2.1@3109.06,1800.08 ; 3739.06,1625.28 PHV1.2@3739.06,1800.08 ; 4199.06,1645.28 PHV2.2@4199.06,1800.08
  Layer 2 w200: 1111.56,1654.72 970.98,1795.3 970.98,1960.98 1130,2120 1130,2668.96 C29.POS@1392.7,2931.67 ; C28.POS@6410,2930 6668.85,2671.15 6668.85,2145.18 6844.86,1969.17 6844.86,1803.48 6693.8,1652.43
  Bottom Layer w10: v1(4810,1780) 4812.02,1777.98 4812.02,1755.83 4927.85,1640 D7.2@4933,1640 ; v1(6070,1870) 6119.13,1870 R46.2@6130,1859.13
  Bottom Layer w75: 6130,1539.13 R46.2@6130,1859.13
  Bottom Layer w80: P3.1@2459.06,1800.08 2459.06,1620.94 2460,1620 ; P2.1@3109.06,1800.08 3109.06,1615.15 3110,1614.2 ; 3739.06,1619.06 PHV1.2@3739.06,1800.08 ; 4199.06,1620.94 PHV2.2@4199.06,1800.08
  Bottom Layer w200: 1147.25,1619.63 971.28,1795.6 971.28,1961.28 1130,2120 1130,2670 1391.67,2931.67 C29.POS@1392.7,2931.67 ; C28.POS@6407.29,2931.67 6670,2668.96 6670,2142.99 6843.65,1969.34 6843.65,1803.65 6692.75,1652.75
+VBAT: F1.3 F1.4 P1.2 | length 3410.9
  Top Layer w150: F1.4@4960,3345.51 4960,3201.43 ; P1.2@5368.27,3000 5366.84,3001.43 5160,3001.43 ; 4960,3201.43 4960,3000 F1.3@4960,2940 5021.43,3001.43 5160,3001.43 ; 4960,3201.43 5119.25,3042.18 5160,3001.43
  Layer 2 w150: F1.3@4960,2940 5020,3000 ; F1.4@4960,3345.51 4960,3200 5090.06,3069.94 ; 5020,3000 5089.94,3069.94 5090.06,3069.94 ; 5020,3000 P1.2@5368.27,3000 5366.84,3001.43 5158.57,3001.43 5090.06,3069.94
  Bottom Layer w150: F1.4@4960,3345.51 4960,3200 ; 5158.57,3001.43 4960,3200 ; P1.2@5368.27,3000 5020,3000 F1.3@4960,2940 4960,3200
A0_SEL: R12.1 U1.2 | length 164.5
  Top Layer w10: R12.1@3577,2940 3620,2940 3639.68,2959.68 U1.2@3733.39,2959.68